# Altium PCB MS-002.21T003台车控制板PCB图 V1.0.PcbDoc (part 1 of 2)
Units mil, origin at the board's own origin, x right, y up, seen from the top; angles counter-clockwise.
Board outline 7863.99 x 3926.98 mil, 2 copper layers (Top Layer, Bottom Layer); 138 components, 110 nets, 449 pads, 595 vias.
Unrouted connection lines stored in the file: 44.
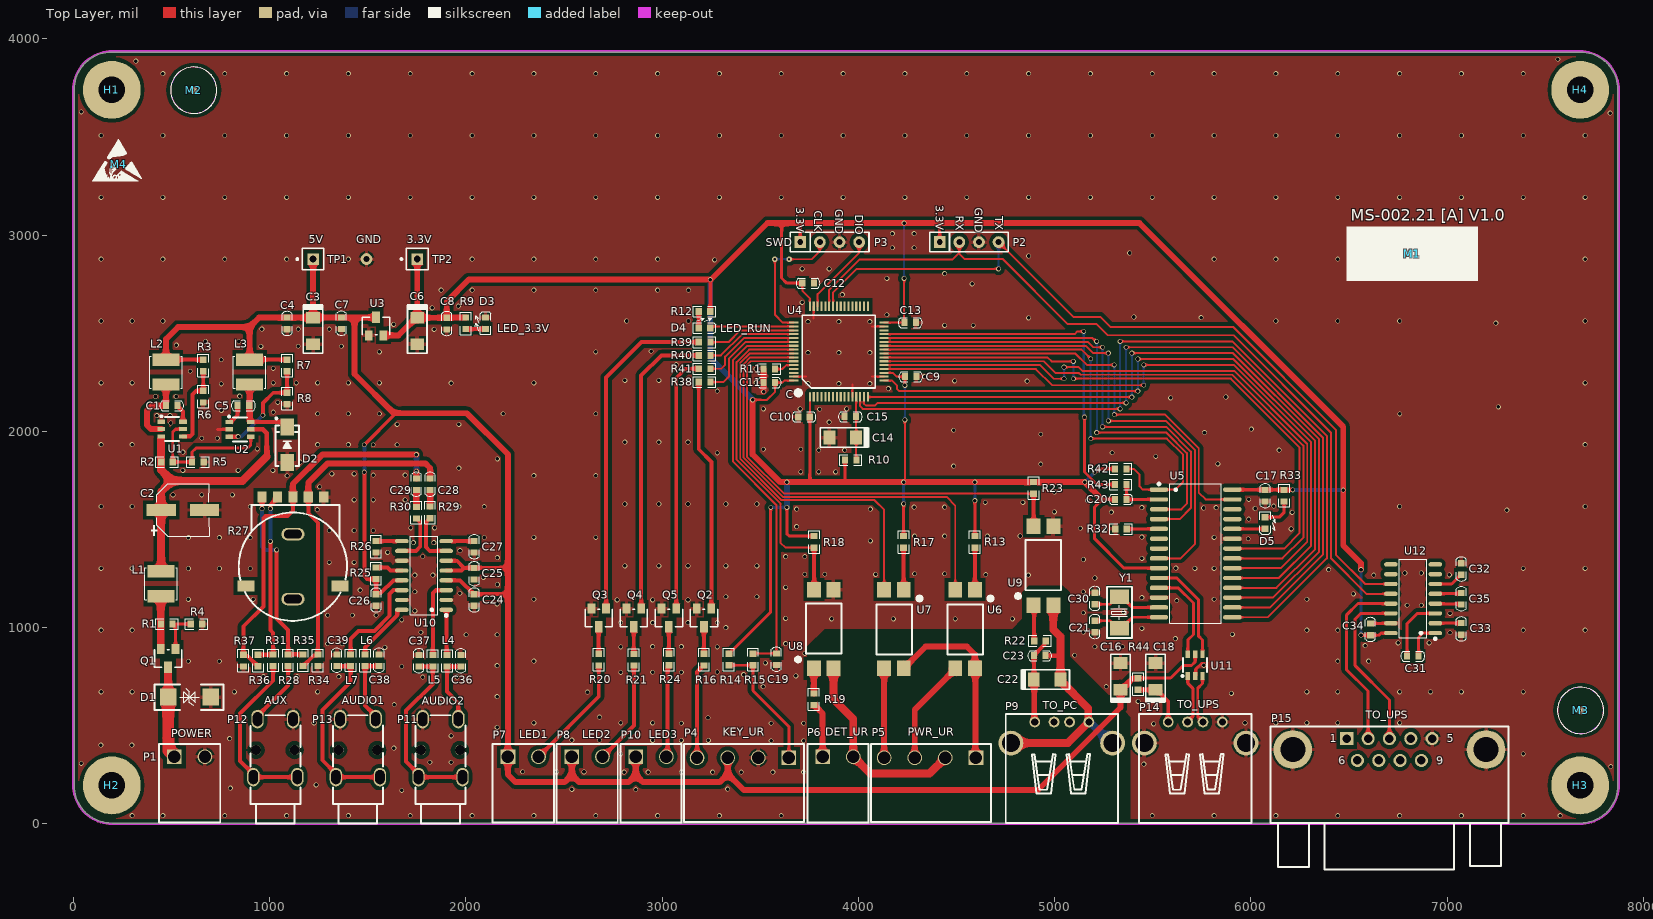
[diagram p0: Top Layer view]
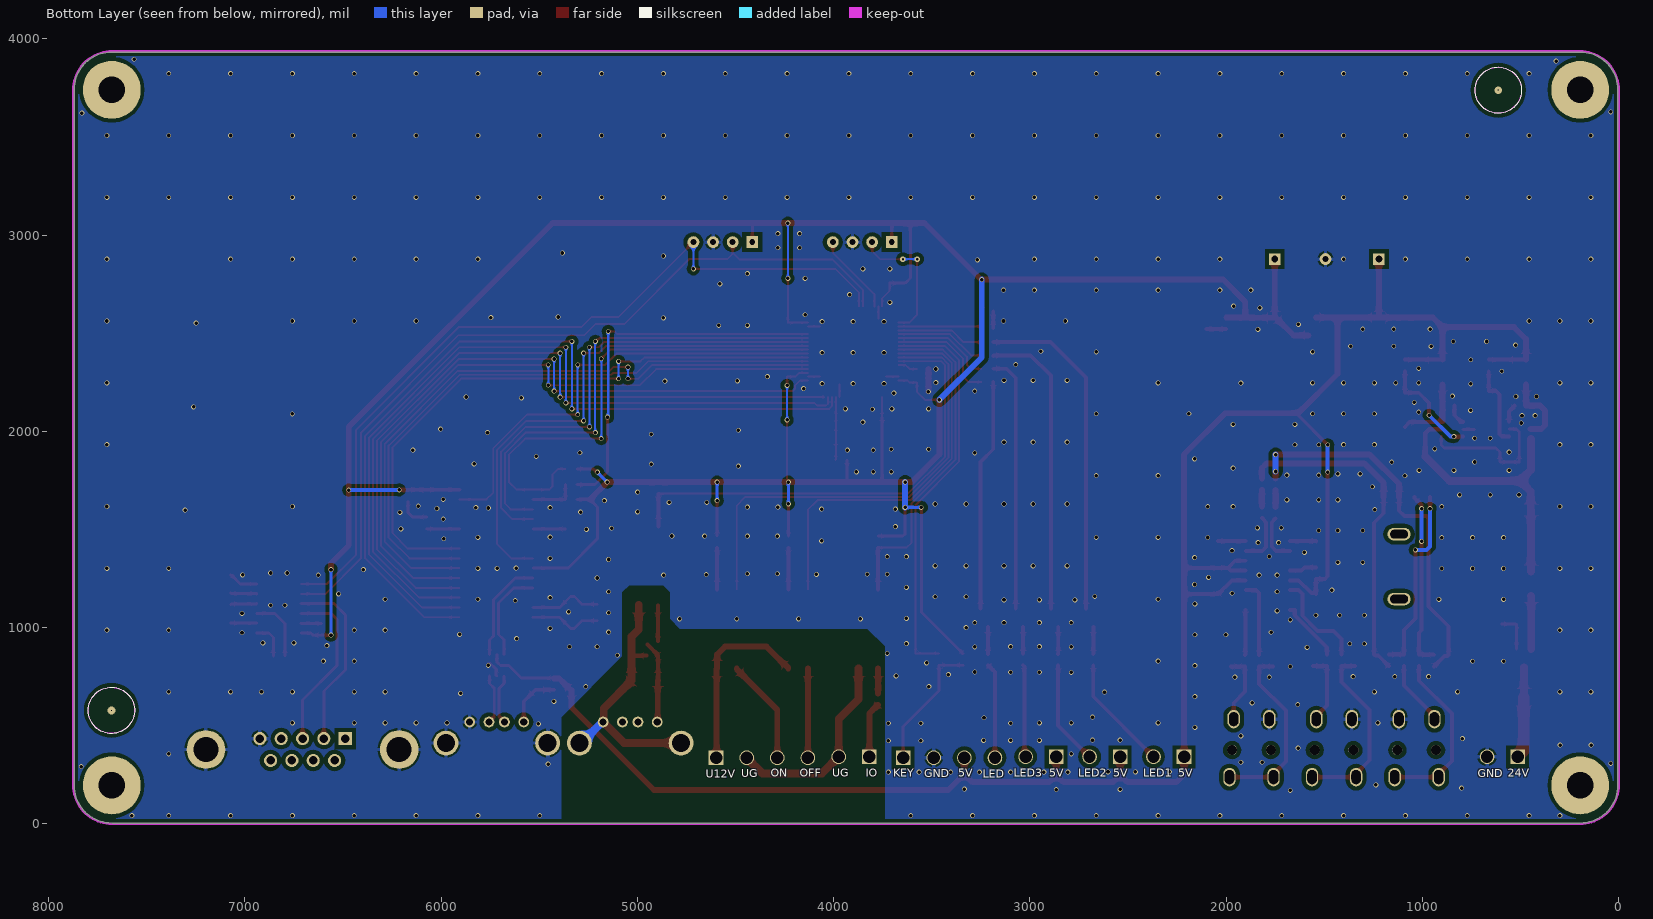
[diagram p1: Bottom Layer view, seen from below]

## Layer stack, top to bottom
Top Solder: solder mask 0.4, Solder Resist, Dk 3.5
Top Layer: signal copper 1.4
Dielectric 1: dielectric 12.6, FR-4, Dk 4.8
Bottom Layer: signal copper 1.4
Bottom Solder: solder mask 0.4, Solder Resist, Dk 3.5

## Board outline
5.02,196.85 5.02,196.92 5.02,3740.1 ccw(c0,3740.16) 5.02,3740.16 cw(c196.85,3740.16) 196.77,3931.99 ccw(c196.85,3937.01) 196.85,3931.99 7677.17,3931.99 cw(c7677.17,3740.16) 7869,3740.16 ccw(c7874.02,3740.16) 7869,3740.13 7869,3740.11 cw(c7874.02,3740.16) 7869,3740.13 7869,196.85 ccw(c7874.02,196.85) 7869,196.79 ccw(c7874.02,196.85) 7869,196.78 7869,196.79 ccw(c7677.17,196.85) 7869,196.85 7869,3740.11 7869,196.79 cw(c7677.17,196.85) 7677.17,5.02 ccw(c7677.17,0) 7677.08,5.01 196.85,5.01 196.85,5.02 cw(c196.85,0) 196.93,5.01 196.85,5.02 cw(c196.85,196.85)

## Design rules (kind name [scope] priority, off if disabled: settings)
Clearance Polygon [InPolygon] p1: gap=20 ignorepadtopadclearanceinfootprint=TRUE
Clearance [All] p2: gap=6 ignorepadtopadclearanceinfootprint=TRUE
DiffPairsRouting [All] p1: maxlimit=10 minlimit=10 mostfreqgap=10 toplayer_minwidth=15 toplayer_maxwidth=15 toplayer_prefwidth=15 bottomlayer_minwidth=15 bottomlayer_maxwidth=15 bottomlayer_prefwidth=15 maxuncoupledlength=500
HoleSize [All] p1: absolutevalues=TRUE maxlimit=200 minlimit=-10 maxpercent=80.000 minpercent=20.000
HoleToHoleClearance [All] p1: gap=8 allowstackedmicrovias=TRUE
MinimumSolderMaskSliver [All] p1: minsoldermaskwidth=0
PolygonConnect Polygon_L1-1 [InNet('NetL1_1')] p1: connectstyle=Direct reliefconductorwidth=10 reliefentries=4 polygonreliefangle="90 Angle" airgapwidth=10
PolygonConnect Polygon_5V [InNet('5V')] p2: connectstyle=Direct reliefconductorwidth=10 reliefentries=4 polygonreliefangle="90 Angle" airgapwidth=10
PolygonConnect Polygon_C1_2 [InNet('NetC1_2')] p3: connectstyle=Direct reliefconductorwidth=10 reliefentries=4 polygonreliefangle="90 Angle" airgapwidth=10
PolygonConnect Polygon_C5_2 [InNet('NetC5_2')] p4: connectstyle=Direct reliefconductorwidth=10 reliefentries=4 polygonreliefangle="90 Angle" airgapwidth=10
PolygonConnect Polygon_DC24 [InNet('NetD1_K')] p5: connectstyle=Direct reliefconductorwidth=10 reliefentries=4 polygonreliefangle="90 Angle" airgapwidth=10
PolygonConnect Polygon_24V [InNet('24V')] p6: connectstyle=Direct reliefconductorwidth=10 reliefentries=4 polygonreliefangle="90 Angle" airgapwidth=10
PolygonConnect [All] p7: thpad.connectstyle=Relief thpad.reliefconductorwidth=20 thpad.reliefentries=4 thpad.polygonreliefangle="90 Angle" thpad.airgapwidth=10 smdpad.connectstyle=Relief smdpad.reliefconductorwidth=20 smdpad.reliefentries=4 smdpad.polygonreliefangle="90 Angle" smdpad.airgapwidth=10 via.connectstyle=Direct via.reliefconductorwidth=20 via.reliefentries=4 via.polygonreliefangle="90 Angle" via.airgapwidth=10
RoomDefinition MS-002.21T002-2 [InComponentClass('MS-002.21T002-2')] p1: confinementstyle=ConfineOut formatcopy=TRUE lockcomponents=FALSE outline 8230.88,605.26 8808.06,605.26 8808.06,685.57 8230.88,685.57
RoomDefinition MS-002.21T002-4 [InComponentClass('MS-002.21T002-4')] p2: confinementstyle=ConfineOut formatcopy=TRUE lockcomponents=FALSE outline 8226.11,373.32 8808.06,373.32 8808.06,480.01 8226.11,480.01
RoomDefinition MS-002.21T002-3 [InComponentClass('MS-002.21T002-3')] p3: confinementstyle=ConfineOut formatcopy=TRUE lockcomponents=FALSE outline 8228.16,499.4 8805.74,499.4 8805.74,589.02 8228.16,589.02
RoomDefinition MS-002.21T002-6 [InComponentClass('MS-002.21T002-6')] p4: confinementstyle=ConfineOut formatcopy=TRUE lockcomponents=FALSE outline 8808.06,217.92 8224.41,217.92 8224.41,108.12 8808.06,108.12
RoomDefinition MS-002.21T002-5 [InComponentClass('MS-002.21T002-5')] p5: confinementstyle=ConfineOut formatcopy=TRUE lockcomponents=FALSE outline 8811.2,356.12 8227.98,356.12 8227.98,229.93 8811.2,229.93
RoutingVias [All] p1: holewidth=12 width=28 viastyle="Through Hole" minholewidth=12 minwidth=28 maxholewidth=28 maxwidth=50
SilkToSilkClearance [All] p1: silktosilkclearance=0
SilkToSolderMaskClearance [IsPad] p1: minsilkscreentomaskgap=0 clearancetoexposedcopper=TRUE
SolderMaskExpansion VIA [IsVia] p1: expansion=4 istentingtop=TRUE
SolderMaskExpansion [All] p2: expansion=4 istentingtop=FALSE
Width [All] p1: maxlimit=100 minlimit=10 preferedwidth=30 minimp=50.000000 maximp=50.000000 favimp=50.000000
24 further rules are at their usual default settings.

## Classes and differential pairs
component class MS-002.21T002-6: C16 C17 C18 C20 C21 C30 C31 C32 C33 C34 C35 D5 P14 P15 R32 R33 R42 R43 R44 U5 U11 U12 Y1
component class MS-002.21T002-5: C24 C25 C26 C27 C28 C29 C36 C37 C38 C39 L4 L5 L6 L7 P11 P12 P13 R25 R26 R27 R28 R29 R30 R31 R34 R35 R36 R37 U10
component class MS-002.21T002-2: C1 C2 C3 C4 C5 C6 C7 C8 D1 D2 D3 L1 L2 L3 P1 Q1 R1 R2 R3 R4 R5 R6 R7 R8 R9 TP1 TP2 U1 U2 U3
component class MS-002.21T002-4: C19 C22 C23 H1 H2 H3 H4 M1 M2 M3 M4 P4 P5 P6 P7 P8 P9 P10 Q2 Q3 Q4 Q5 R13 R14 R15 R16 R17 R18 R19 R20 R21 R22 R23 R24 R38 R39 R40 R41 U6 U7 U8 U9
component class MS-002.21T002-3: C9 C10 C11 C12 C13 C14 C15 D4 P2 P3 R10 R11 R12 U4
differential pair USB: +USB_P -USB_N
differential pair UD-USB: +UD-USB_P -UD-USB_N

## Components (designator, comment, footprint, x,y, rotation, side; value= is the part's Value field where it differs from the comment)
C1 "0.1uF" 0603_C 502.49,2131.12 r180 top
C2 "100uF/35V/20%" CAP-SMD_BD6.3-L6.6-W6.6-FD 559.44,1599.46 r0 top
C3 "10uF/16V" CASE-A_3216 1222.65,2511.36 r270 top
C4 "0.1uF" 0603_C 1090.05,2549.97 r90 top
C5 "0.1uF" 0603_C 867.35,2131.4 r0 top
C6 "10uF/16V" CASE-A_3216 1753,2511.36 r270 top
C7 "0.1uF" 0603_C 1366.72,2550.41 r90 top
C8 "0.1uF" 0603_C 1903.28,2549.06 r90 top
C9 "0.1uF" 0603_C 4266.75,2278.55 r180 top
C10 "0.1uF" 0603_C 3723,2073.57 r0 top
C11 "0.1uF" 0603_C 3546.12,2248.86 r0 top
C12 "0.1uF" 0603_C 3743.83,2754.73 r180 top
C13 "0.1uF" 0603_C 4263.94,2554.14 r180 top
C14 "10uF/16V" CASE-A_3216 3920.28,1968.4 r180 top
C15 "0.1uF" 0603_C 3959.19,2074.91 r0 top
C16 "10uF/16V" CASE-A_3216 5335.4,751.69 r90 top
C17 "0.1uF" 0603_C 6072.3,1672.22 r270 top
C18 "10uF/16V" CASE-A_3216 5513.8,751.69 r90 top
C19 "0.1uF" 0603_C 3582.78,839.75 r270 top
C20 "0.1uF" 0603_C 5337.07,1653.12 r0 top
C21 "22pF" 0603_C 5205.22,1005.86 r90 top
C22 "10uF/16V" CASE-A_3216 4961.46,735.91 r0 top
C23 "0.1uF" 0603_C 4923.95,857.61 r180 top
C24 "1uF" 0603_C 2043.17,1141.14 r270 top
C25 "1uF" 0603_C 2043.17,1275.29 r90 top
C26 "1uF" 0603_C 1543.1,1141.14 r270 top
C27 "1uF" 0603_C 2043.17,1411.98 r270 top
C28 "1uF" 0603_C 1818.31,1730.15 r270 top
C29 "1uF" 0603_C 1748.38,1730.15 r270 top
C30 "22pF" 0603_C 5205.22,1148.77 r90 top
C31 "0.1uF" 0603_C 6824.42,855.56 r180 top
C32 "0.1uF" 0603_C 7070.93,1298.83 r270 top
C33 "0.1uF" 0603_C 7070.93,993.6 r90 top
C34 "0.1uF" 0603_C 6608.16,991.03 r270 top
C35 "0.1uF" 0603_C 7070.93,1147.48 r90 top
C36 "1nF" 0603_C 1975.07,831.58 r270 top
C37 "1nF" 0603_C 1761.7,831.87 r270 top
C38 "1nF" 0603_C 1558.17,834.11 r270 top
C39 "1nF" 0603_C 1343.43,833.93 r270 top
D1 "SMBJ26CA" SMB 593.2,646.07 r180 top
D2 "SS16" SMA 1090.05,1930.73 r90 top
D3 "LED_GREEN" 0603_LED 2100.79,2551.15 r90 top
D4 "LED_GREEN" 0603_LED 3216.48,2526.3 r0 top
D5 "LED_GREEN" 0603_LED 6072.3,1533.49 r270 top
H1 "=Value" THC7R5D3R4-M3-PTH#1 725,3445 r0 top
H2 "=Value" THC7R5D3R4-M3-PTH#2 650,3630 r0 top
H3 "=Value" THC7R5D3R4-M3-PTH#3 1005,3630 r0 top
H4 "=Value" THC7R5D3R4-M3-PTH#4 1360,3630 r0 top
L1 "10uH/20%/1.5A" L_4.0*4.0 448.41,1223.78 r90 top value=15uH
L2 "10uH/20%/1.5A" L_4.0*4.0 472.99,2301.8 r90 top value=15uH
L3 "10uH/20%/1.5A" L_4.0*4.0 899.14,2301.8 r90 top value=15uH
L4 "120Ω@100MHz" 0603_RL 1905.05,831.58 r270 top value=15uH
L5 "120Ω@100MHz" 0603_RL 1832.56,831.58 r270 top value=15uH
L6 "120Ω@100MHz" 0603_RL 1487.65,833.93 r270 top value=15uH
L7 "120Ω@100MHz" 0603_RL 1413.9,834.03 r270 top value=15uH
M1 "粘贴标签位置" Label 6821.94,2904.85 r180 top
M2 "MARK" MARK 614.41,3738.05 r0 top
M3 "MARK" MARK 7678.79,578.62 r0 top
M4 "ESD" ESD 231.55,3359.49 r0 top
P1 "HT396R-3.96-2P" HT3.96mm-1X2P 593.57,342.23 r0 top value=W8010211120AB
P2 "Header_2.54mm" Header1X4-2.54mm 4414.28,2964.08 r0 top value=W8010411120AB
P3 "Header_2.54mm" Header1X4-2.54mm 3704.03,2964.08 r0 top value=W8010411120AB
P4 "HT396R-3.96-4P" HT3.96mm-1X4P 3412.05,337.23 r180 top
P5 "HT396R-3.96-4P" HT3.96mm-1X4P 4364.93,337.23 r180 top value=W8010411120AB
P6 "HT396R-3.96-2P" HT3.96mm-1X2P 3896.02,342.23 r0 top value=W8010211120AB
P7 "HT396R-3.96-2P" HT3.96mm-1X2P 2292.75,342.23 r0 top value=W8010211120AB
P8 "HT396R-3.96-2P" HT3.96mm-1X2P 2618.42,342.23 r0 top value=W8010211120AB
P9 "U-USBAR04P-F002" USB-A-01 5036.11,466.03 r0 top
P10 "HT396R-3.96-2P" HT3.96mm-1X2P 2944.08,342.23 r0 top value=W8010211120AB
P11 "PJ-3210-4A" AUDIO_TH_PJ-3210-4A 1871.46,386.58 r180 top
P12 "PJ-3210-4A" AUDIO_TH_PJ-3210-4A 1029.99,386.58 r180 top
P13 "PJ-3210-4A" AUDIO_TH_PJ-3210-4A 1450.72,386.58 r180 top
P14 "U-USBAR04P-F002" USB-A-01 5715.89,466.03 r0 top
P15 "DB9" DB9_MALE_W 6705.22,379.42 r0 top
Q1 "CJ2301" SOT-23_3 484.14,844.59 r180 top
Q2 "S8050" SOT-23_3 3213.63,1050.72 r180 top
Q3 "S8050" SOT-23_3 2677.54,1050.72 r180 top
Q4 "S8050" SOT-23_3 2856.24,1050.72 r180 top
Q5 "S8050" SOT-23_3 3034.94,1050.72 r180 top
R1 "51k" 0603_R 477.25,1018.67 r180 top
R2 "51k" 0603_R 478.08,1844.06 r180 top
R3 "51k" 0603_R 663.01,2335.69 r90 top
R4 "51k" 0603_R 628.55,1018.67 r180 top
R5 "10k" 0603_R 635.68,1844.06 r180 top
R6 "6.8k" 0603_R 663.01,2177.02 r90 top
R7 "10k" 0603_R 1090.05,2335.69 r90 top
R8 "2k" 0603_R 1090.05,2167.3 r90 top
R9 "10k" 0603_R 2000.06,2550.3 r90 top
R10 "10R" 0603_R 3961.25,1854.28 r0 top
R11 "10k" 0603_R 3546.39,2317.68 r0 top
R12 "10k" 0603_R 3216.48,2610.96 r0 top
R13 "1k" 0603_R 4593.57,1436.87 r90 top
R14 "10k" 0603_R 3340.54,838.13 r90 top
R15 "100k" 0603_R 3462.89,838.18 r270 top
R16 "1k" 0603_R 3213.63,837.27 r270 top
R17 "1k" 0603_R 4230.51,1436.87 r90 top
R18 "10k" 0603_R 3774.73,1436.87 r90 top
R19 "10k" 0603_R 3773.46,635.46 r270 top
R20 "1k" 0603_R 2677.54,837.33 r90 top
R21 "1k" 0603_R 2856.24,836.61 r270 top
R22 "2k" 0603_R 4925.02,933.22 r180 top
R23 "10k" 0603_R 4893.05,1711.9 r90 top
R24 "1k" 0603_R 3034.94,838.19 r270 top
R25 "10k" 0603_R 1543.1,1277.06 r270 top
R26 "10k" 0603_R 1543.1,1412.63 r270 top
R27 "10k,RK10J12R0A0B" RES-SMD_RK10J11R0A0H 1119.59,1405.57 r180 top
R28 "1k" 0603_R 1094.84,834.03 r270 top
R29 "24k" 0603_R 1818.31,1587.39 r270 top
R30 "24k" 0603_R 1748.38,1586.03 r270 top
R31 "1k" 0603_R 1018.85,834.03 r270 top
R32 "1k" 0603_R 5337.76,1503.12 r180 top
R33 "1k" 0603_R 6169.11,1672.35 r90 top
R34 "5.1k" 0603_R 1246.84,833.87 r90 top
R35 "0R" 0603_R 1170.84,834.19 r90 top
R36 "0R" 0603_R 942.85,832.66 r90 top
R37 "5.1k" 0603_R 866.86,832.19 r90 top
R38 "1k" 0603_R 3216.6,2251.33 r180 top
R39 "1k" 0603_R 3216.6,2454.31 r180 top
R40 "1k" 0603_R 3216.6,2386.65 r180 top
R41 "1k" 0603_R 3216.6,2318.99 r180 top
R42 "10k" 0603_R 5336.51,1808.96 r0 top
R43 "1k" 0603_R 5336.51,1728.93 r0 top
R44 "10R" 0603_R 5424.99,713.17 r90 top
TP1 "5V" TP1 1222.65,2877.66 r90 top
TP2 "3.3V" TP1 1753,2877.66 r90 top
U1 "TPS54202DDCR" SOT-23-6 504.43,2011.86 r0 top
U2 "ME3116AM6G" SOT-23-6 849.82,2010.6 r0 top
U3 "ME6211A33M3G" SOT-23_3 1542.79,2535.11 r0 top
U4 "STM32F103RCT6" LQFP-64 3900.53,2406.5 r90 top
U5 "CH375B" SOIC-28 5718.06,1378.12 r0 top
U6 "EL817" "SOP-4 6.5×4.6" 4543.57,993.4 r270 top
U7 "EL817" "SOP-4 6.5×4.6" 4181.2,993.4 r270 top
U8 "EL817" "SOP-4 6.5×4.6" 3823.46,993.4 r90 top
U9 "EL817" "SOP-4 6.5×4.6" 4943.05,1315.65 r90 top
U10 "LTK5206" SOP-16 1787.53,1266.14 r180 top
U11 "USBLC6-2SC6" SOT-23-6 5715.64,809.11 r90 top
U12 "SP3232" SOP-16 6825.62,1147.55 r180 top
Y1 "12MHz" "OSC-SMD 5.0×3.2" 5330.16,1077.53 r270 top

## Footprints (in the part's own frame and the unit in brackets; to place one, negate y for a bottom-side part, rotate by r counter-clockwise, add the part's x,y. Pads: shape width x height; smd on the part's side, far side on the other; paste and mask are expansions set on the pad)
0603_C [mm]
  rect 0.8x0.9 smd: 1(-0.749,0) 2(0.749,0)
  silkscreen extent -1.55,-0.65 1.55,0.65, body extent -0.99,-0.39 1.01,0.39, height 0.79
0603_LED [mm]
  rect 0.8x0.9 smd: 1(-0.749,0) 2(0.749,0)
  silkscreen extent -1.45,-0.7 1.45,1.3, body extent -0.8,-0.4 0.8,0.4, height 0.6
0603_R [mm]
  rect 0.8x0.9 smd: 1(-0.749,0) 2(0.749,0)
  silkscreen extent -1.45,-0.7 1.45,0.7, body extent -0.81,-0.4 0.79,0.4, height 0.42
0603_RL [mm]
  rect 0.8x0.9 smd: 1(-0.749,0) 2(0.749,0)
  silkscreen extent -1.45,-0.7 1.45,0.7, body extent -0.8,-0.43 0.8,0.43, height 0.48
AUDIO_TH_PJ-3210-4A [mm]
  oval 1.6x2.4 hole 1.2 slot 1.8 at 90 deg: 1(-2.3,-3.75) 2(-2.85,3.75) 2(2.85,3.75) 3(2.3,-3.75)
  round 1.3 hole 1.3 unplated: ""(-2.499,0.25) ""(2.499,0.25)
  silkscreen extent -3.25,-4.25 3.22,9.75, body extent -3.59,-4.25 3.59,9.75, height 5.25
CAP-SMD_BD6.3-L6.6-W6.6-FD [mm]
  rect 3.8x1.5 smd: 1(-2.797,0) 2(2.797,0)
  silkscreen extent -4.12,-3.38 3.38,3.38, body extent -3.65,-3.3 3.65,3.3, height 7.7
CASE-A_3216 [mm]
  rect 1.524x1.8 smd: 1(-1.725,0) 2(1.725,0)
  silkscreen extent -3.43,-1.27 2.9,1.27, body extent -1.65,-0.9 1.75,0.9, height 1.7
DB9_MALE_W [mm]
  rect 1.7x1.7 hole 1.1: 1(-5.52,1.42)
  round 1.7 hole 1.1: 2(-2.76,1.42) 3(0,1.42) 4(2.76,1.42) 5(5.52,1.42) 6(-4.14,-1.42) 7(-1.38,-1.42) 8(1.38,-1.42) 9(4.14,-1.42)
  round 5 hole 3.25: 10(-12.5,0) 10(12.5,0)
  silkscreen extent -15.4,-15.5 15.4,3, body extent -15.4,-15.45 15.4,2.95, height 12.57
ESD [mil]
  silkscreen extent -133,-84 117,128
Header1X4-2.54mm [mil]
  rect 60x60 hole 30: 1(0,0)
  round 60 hole 30: 2(100,0) 3(200,0) 4(300,0)
  silkscreen extent -50,-50 350,50
HT3.96mm-1X2P [mm]
  rect 1.9x1.9 hole 1.6: 1(-1.98,0)
  round 1.9 hole 1.6: 2(1.98,0)
  silkscreen extent -3.96,-8.5 3.96,1.65, body extent -4,-9.5 3.94,0.5, height 7.45
HT3.96mm-1X4P [mm]
  rect 1.9x1.9 hole 1.6: 1(-5.94,0)
  round 1.9 hole 1.6: 2(-1.98,0) 3(1.98,0) 4(5.94,0)
  silkscreen extent -7.92,-1.8 7.62,8.3, body extent -7.92,-0.5 7.96,9.5, height 7.45
L_4.0*4.0 [mm]
  rect 1.6x3.5 smd: 1(-1.6,0) 2(1.6,0)
  silkscreen extent -2.08,-2.1 2.08,2.1, body extent -2,-2 2,2, height 1
Label [mil]
  silkscreen extent -335,-138 335,138
LQFP-64 [mm]
  oval 1.2x0.27 smd: 1(-5.85,3.75)
  rect 1.2x0.27 smd: 2(-5.85,3.25) 3(-5.85,2.75) 4(-5.85,2.25) 5(-5.85,1.75) 6(-5.85,1.25) 7(-5.85,0.75) 8(-5.85,0.25) 9(-5.85,-0.25) 10(-5.85,-0.75) 11(-5.85,-1.25) 12(-5.85,-1.75) 13(-5.85,-2.25) 14(-5.85,-2.75) 15(-5.85,-3.25) 16(-5.85,-3.75) 33(5.85,-3.75) 34(5.85,-3.25) 35(5.85,-2.75) 36(5.85,-2.25) 37(5.85,-1.75) 38(5.85,-1.25) 39(5.85,-0.75) 40(5.85,-0.25) 41(5.85,0.25) 42(5.85,0.75) 43(5.85,1.25) 44(5.85,1.75) 45(5.85,2.25) 46(5.85,2.75) 47(5.85,3.25) 48(5.85,3.75)
  rect 0.27x1.2 smd: 17(-3.75,-5.85) 18(-3.25,-5.85) 19(-2.75,-5.85) 20(-2.25,-5.85) 21(-1.75,-5.85) 22(-1.25,-5.85) 23(-0.75,-5.85) 24(-0.25,-5.85) 25(0.25,-5.85) 26(0.75,-5.85) 27(1.25,-5.85) 28(1.75,-5.85) 29(2.25,-5.85) 30(2.75,-5.85) 31(3.25,-5.85) 32(3.75,-5.85) 49(3.75,5.85) 50(3.25,5.85) 51(2.75,5.85) 52(2.25,5.85) 53(1.75,5.85) 54(1.25,5.85) 55(0.75,5.85) 56(0.25,5.85) 57(-0.25,5.85) 58(-0.75,5.85) 59(-1.25,5.85) 60(-1.75,5.85) 61(-2.25,5.85) 62(-2.75,5.85) 63(-3.25,5.85) 64(-3.75,5.85)
  silkscreen extent -5.64,-4.71 4.71,5.55, body extent -6,-6 6,6, height 1.6
MARK [mil]
  Top Layer keep-out circle w3.94: c0,0 r117.15
  Bottom Layer keep-out circle w3.94: c0,0 r117.15
  silkscreen extent -118,-118 118,118
"OSC-SMD 5.0×3.2" [mm]
  rect 1.9x2.4 smd: 1(-2.05,0) 2(2.05,0)
  silkscreen extent -3.32,-1.6 3.33,1.6, body extent -2.5,-1.47 2.5,1.73, height 1.3
RES-SMD_RK10J11R0A0H [mm]
  rect 1.2x1.4 smd: 1(-4,-6.6) 2(-2,-6.6) 3(4,-6.6) 4(0,-6.6) 5(2,-6.6)
  rect 2.2x1.4 smd: 6(-6.1,4.9) 6(6.1,4.9)
  oval 3x1.6 hole 1.1 slot 2.3 at 0 deg: 7(0,6.6) 7(0,-1.8)
  silkscreen extent -7.01,-5.6 7.01,9.42, body extent -7,-7.06 7,9.45, height 2.6
SMA [mm]
  rect 2.2x1.75 smd: A(-2.3,0) K(2.3,0)
  silkscreen extent -2.7,-1.52 3.56,1.52, body extent -2.53,-1.3 2.58,1.3, height 2.15
SMB [mm]
  rect 2.1x2.2 smd: A(-2.75,0) K(2.75,0)
  silkscreen extent -4.38,-1.65 4.54,1.65, body extent -2.63,-1.8 2.67,1.8, height 2.35
SOIC-28 [mil]
  oval 94.02x22.6 smd: 1(-186.77,325) 2(-186.77,275) 3(-186.77,225) 4(-186.77,175) 5(-186.77,125) 6(-186.77,75) 7(-186.77,25) 8(-186.77,-25) 9(-186.77,-75) 10(-186.77,-125) 11(-186.77,-175) 12(-186.77,-225) 13(-186.77,-275) 14(-186.77,-325) 15(186.77,-325) 16(186.77,-275) 17(186.77,-225) 18(186.77,-175) 19(186.77,-125) 20(186.77,-75) 21(186.77,-25) 22(186.77,25) 23(186.77,75) 24(186.77,125) 25(186.77,175) 26(186.77,225) 27(186.77,275) 28(186.77,325)
  silkscreen extent -193,-355 131,360, body extent -209,-356 209,356, height 101
"SOP-4 6.5×4.6" [mm]
  rect 2x1.8 smd: 1(-5.1,1.27) 2(-5.1,-1.27) 3(5.1,-1.27) 4(5.1,1.27)
  silkscreen extent -4.42,-2.29 3.32,3.79, body extent -5.08,-2.29 5.08,2.29, height 4.43
SOP-16 [mm]
  oval 1.745x0.56 smd: 1(-2.873,4.445) 2(-2.873,3.175) 3(-2.873,1.905) 4(-2.873,0.635) 5(-2.873,-0.635) 6(-2.873,-1.905) 7(-2.873,-3.175) 8(-2.873,-4.445) 9(2.873,-4.445) 10(2.873,-3.175) 11(2.873,-1.905) 12(2.873,-0.635) 13(2.873,0.635) 14(2.873,1.905) 15(2.873,3.175) 16(2.873,4.445)
  silkscreen extent -3.02,-5.08 1.77,5.33, body extent -3.12,-4.99 3.12,4.99, height 1.59
SOT-23-6 [mm]
  rect 1x0.55 smd: 1(-1.4,0.95) 2(-1.4,0) 3(-1.4,-0.95) 4(1.4,-0.95) 5(1.4,0) 6(1.4,0.95)
  silkscreen extent -1.52,-1.55 0.9,1.78, body extent -1.4,-1.45 1.4,1.45, height 1.45
SOT-23_3 [mm]
  rect 1x1.29 smd: 1(-0.952,-1.166) 2(0.953,-1.166)
  rect 1x1.47 smd: 3(0.013,1.166)
  silkscreen extent -1.77,-1.09 1.77,1.19, body extent -1.5,-1.32 1.5,1.32, height 1.08
THC7R5D3R4-M3-PTH#1 [mm]
  round 7.5 hole 3.4: 1(-13.415,7.497)
THC7R5D3R4-M3-PTH#2 [mm]
  round 7.5 hole 3.4: 1(-11.51,-87.202)
THC7R5D3R4-M3-PTH#3 [mm]
  round 7.5 hole 3.4: 1(169.473,-87.202)
THC7R5D3R4-M3-PTH#4 [mm]
  round 7.5 hole 3.4: 1(160.456,2.798)
TP1 [mm]
  rect 1.5x1.5 hole 0.9: 1(0,0)
  silkscreen extent -1.4,-1.4 1.4,2.17
USB-A-01 [mm]
  round 3.2 hole 2.3: 0(-6.571,-1.359) 0(6.571,-1.359)
  round 1.4 hole 0.92: 1(-3.492,1.359) 2(-0.993,1.359) 3(1.008,1.359) 4(3.508,1.359)
  silkscreen extent -7.25,-11.7 7.26,2.37, body extent -7.93,-11.17 7.87,2.53, height 6.95

## Part data
C1 C4 C5 C9 C10 C11 C12 C13 C15 C21 C30: library part C_2
C2: library part "Cap Pol", "Capacitor-P", LatestRevisionDate=29-May-2009, LatestRevisionNote="IPC-7351 Footprint Added.", PackageDescription="Chip Capacitor", PackageReference=C0805, Published=8-Jun-2000, Publisher="Altium Limited"
C3 C6 C14 C16 C18 C22: library part CAP_ELECTROL
C7 C8: library part Cap, "Capacitor", LatestRevisionDate=17-Jul-2002, LatestRevisionNote="Re-released for DXP Platform.", PackageDescription="Radial Cap, Thru-Hole; 2 Leads; 0.3 in Pin Spacing", PackageReference=RAD-0.3, Published=8-Jun-2000, Publisher="Altium Limited"
C17 C20 C23: library part C
C19: library part C0805, "C0805", PACKAGE=Tape&Reel, Allow Altenative Part=Y, Approved=YES, Categories=电容, Category=贴片电容, Modify time=2017年03月06号, Mounting Type=SurfaceMount, Part Number=C0805, Remark="BU 需求", serial number=4
C24 C25 C26 C27 C28 C29 C31 C32 C33 C34 C35 C36 C37 C38 C39: library part CAP
D1: library part SSVT
D2: library part DIODE_Schottky
D3 D4 D5: library part LED1, "LED"
H1 H2 H3 H4: library part M4-PTH, Allow Altenative Part=Y, Approved=YES, Categories=符号, Category=SCREW, Modify time=42779, Part Number=M4-PTH, serial number=18, Supplier 1=CRD
L1 L2 L3: library part 101LP-00033OD.01, "SMD,电感值10uH,精度±20%,额定电流1.5A", Operating Temperature=-40°C~105°C, PACKAGE=Tape&Reel, Rated Current=2.5A, Supplier Part Number 1=SLF7055T-100M2R5-3PF, Tolerance=±20%, Allow Altenative Part=Y, Approved=YES, Categories=电感, Category=功率电感, COMPONENTLINK 1 DESCRIPTION=OpenDatasheet, COMPONENTLINK 1 URL=https://product.tdk.com/info/en/catalog/datasheets/inductor_commercial_power_slf7055_en.pdf, Modify time=2016年2月28号, MOQ=1000, Mounting Type=SurfaceMount, Part Number=101LP-00033OD.01, Pricing 1=3.619, Remark="Verified by BU1（黄雄青） check list V1.0", serial number=41, Size=7x7x5.5mm, Supplier 1=TDK
L4 L5 L6 L7: library part 101LP-00033OD.01, "120Ω@100MHz 误差：±25% 直流电阻(RDC)：100mΩ 额定电流：2A", Operating Temperature=-40°C~105°C, PACKAGE=Tape&Reel, Rated Current=2.5A, Supplier Part Number 1=SLF7055T-100M2R5-3PF, Tolerance=±20%, Allow Altenative Part=Y, Approved=YES, Categories=电感, Category=功率电感, COMPONENTLINK 1 DESCRIPTION=OpenDatasheet, COMPONENTLINK 1 URL=https://product.tdk.com/info/en/catalog/datasheets/inductor_commercial_power_slf7055_en.pdf, Modify time=2016年2月28号, MOQ=1000, Mounting Type=SurfaceMount, Part Number=101LP-00033OD.01, Pricing 1=3.619, Remark="Verified by BU1（黄雄青） check list V1.0", serial number=41, Size=7x7x5.5mm, Supplier 1=TDK
M1: library part LABEL
M2 M3: "贴片所需MARK点"
M4: "防静电标志"
P1 P6 P7 P8 P10: PACKAGE=Tubewithoutpad, Part Number=102NC-00001CY.01, Supplier Part Number 1=W8010211120AB, Allow Altenative Part=Y, Approved=YES, Categories=连接器, Category=VH连接器, COMPONENTLINK 1 DESCRIPTION=GetDatasheet, COMPONENTLINK 1 URL=http://www.fyconn.com/productView.asp?id=450, Modify time=2017年03月10号, Mounting Type=ThroughHole, Remark="Verified by BU4（陈雪莹） check list V2.0", serial number=544, Supplier 1=富盈源
P2 P3 P5: PACKAGE=Tubewithoutpad, Part Number=102NC-00002CY.01, Supplier Part Number 1=W8010411120AB, Allow Altenative Part=Y, Approved=YES, Categories=连接器, Category=VH连接器, COMPONENTLINK 1 DESCRIPTION=GetDatasheet, COMPONENTLINK 1 URL=http://www.fyconn.com/productView.asp?id=450, Modify time=2017年03月10号, Mounting Type=ThroughHole, Remark="Verified by BU4（陈雪莹） check list V2.0", serial number=545, Supplier 1=富盈源
P4: library part HEADER4
P9 P14: library part USBCOM
P11 P12 P13: "3.5mm耳机座 额定电流500mA 额定电压30V"
Q1: library part P-MOS
Q2 Q3 Q4 Q5: library part NPN
R1 R2 R3 R4 R5 R6 R7 R8 R9 R11 R14 R15 R18 R19 R20 R21 R22 R23 R24 R25 R26 R38 R39 R40 R41: library part "0603 10KΩ (1002) 1%", "贴片电阻", PACKAGE=0603, SuppliersPartNumber=C25804, ComponentLink1Description=供应商链接, ComponentLink1URL=http://www.szlcsc.com/product/details_26547.html, Supplier=LC
R10 R44: library part "0603 10Ω (10R0) 1%", "贴片电阻", PACKAGE=0603, SuppliersPartNumber=C22859, ComponentLink1Description=供应商链接, ComponentLink1URL=http://www.szlcsc.com/product/details_23586.html, Supplier=LC
R12 R13 R16 R17 R32 R33 R42 R43: library part "0603 1KΩ (1001) 1%", "贴片电阻", PACKAGE=0603, SuppliersPartNumber=C21190, ComponentLink1Description=供应商链接, ComponentLink1URL=http://www.szlcsc.com/product/details_21904.html, Supplier=LC
R27: library part RK10J11R0A0H, "RK10J12R0A0B,10k±30%,30mW,音量调节", BOM_JLCPCB Part Class="Extended Part", BOM_Manufacturer=ALPSALPINE(阿尔卑斯阿尔派), BOM_Manufacturer Part=RK10J11R0A0H, BOM_Supplier=LCSC, BOM_Supplier Part=C470766, Contributor=LCSC, nameAlias=Resistance, spicePre=R, spiceSymbolName=RK10J11R0A0H
R28 R29 R30 R31 R34 R35 R36 R37: library part RES
TP1 TP2: library part TP, "Test Point"
U1: library part TPS54202
U3: library part LDO-SOT23, "LDO"
U4: "MCU"
U5: library part CH375, "USB 总线接口芯片"
U6 U7 U8 U9: library part KPC357NT, "KPC357NT", LatestRevisionDate=17-Jul-2002, LatestRevisionNote="Re-released for DXP Platform.", Published=24-Mar-1999, Publisher="Altium Limited"
U10: "双声道功放芯片，2.8V~7V，2x6.5w"
Y1: library part XTAL, "Crystal Oscillator", LatestRevisionDate=17-Jul-2002, LatestRevisionNote="Re-released for DXP Platform.", Published=8-Jun-2000, Publisher="Altium Limited"

## Free pads (board coordinates)
  round 60 hole 30: 2(1494.45,2877.66)

## Via types
v1: diameter 25, hole 18, Top Layer to Bottom Layer, tented both sides, 591 vias
v2: diameter 39.37/39.37 (per signal layer), hole 0, Top Layer to Bottom Layer, 2 vias
v3: diameter 28, hole 12, Top Layer to Bottom Layer, tented both sides, 2 vias

## Nets (pads, with @x,y where several pads share a name; then routed paths per layer and width w, separated by ;. In a path a pad name is that pad's centre, name@x,y a point inside that pad or via, vN(x,y) a via of type N, cw(c..) or ccw(c..) an arc to the next point about the centre after c; other vN are vias at no path point)
3.3V: C6.1 C8.2 C9.2 C10.2 C11.2 C12.2 C13.2 C17.1 C20.1 C34.2 P2.1 P3.1 R9.2 R10.1 R12.2 R13.2 R14.2 R17.2 R18.2 R23.2 R33.2 R42.1 TP2.1 U3.2 U4.1 U4.19 U4.32 U4.48 U4.64 U5.9 U5.28 U12.16 | length 16384.5
  Top Layer w10: v1(3461.47,2160.47) 3534.66,2160.47 3575.62,2201.44 C11.2@3575.62,2248.86 3613.11,2248.86 3623.11,2258.86 U4.64@3670.21,2258.86 ; C12.2@3714.33,2754.73 3714.33,2716.53 3752.89,2677.97 U4.48@3752.89,2636.82 ; C10.2@3752.5,2073.57 3752.89,2073.95 U4.1@3752.89,2176.19 ; U4.19@4130.84,2298.23 4176.22,2298.23 4195.9,2278.55 C9.2@4237.25,2278.55 v1(4237.25,2234.09) ; U4.32@4130.84,2554.14 4232.46,2554.14 4233.45,2555.13 v1(4233.45,2779.75) ; v1(4230.51,1741.58) 4230.51,1746.45 4237.25,1753.19 v1(4237.25,2058.21)
  Top Layer w15: v1@3245.98,2770.26 v1@3248.99,2773.28 ; R14.2@3340.54,867.63 3342.5,867.63 3350.75,875.88 3350.75,877.85 3553.5,1080.59 v1(3553.5,1612.86) ; 3608.76,3061.15 3608.76,2781.47 3635.5,2754.73 C12.2@3714.33,2754.73 ; v1(3635.51,1612.86) 3635.51,1478.43 3647.57,1466.37 R18.2@3774.73,1466.37 ; P3.1@3704.03,2964.08 3704.03,3060.44 ; 3752.5,1741.2 C10.2@3752.5,2073.57 ; 3931.75,1741.49 R10.1@3931.75,1854.28 ; R17.2@4230.51,1466.37 v1(4230.51,1630.92) ; P2.1@4414.28,2964.08 4414.28,3060.74 4414.7,3061.15 ; R13.2@4593.57,1466.37 v1(4593.57,1647.27) ; 4710.27,3061.15 4714.28,3057.13 ; v1(5203.83,1792.34) 5207.34,1792.34 5223.96,1808.96 R42.1@5307.01,1808.96 ; C20.1@5307.57,1653.12 5241.72,1653.12 5203.83,1615.22 5203.83,1453.03 5353.74,1303.12 U5.9@5531.29,1303.12 ; U5.28@5904.83,1703.12 U5.28@5905.46,1702.48 ; R33.2@6168.48,1702.48 R33.2@6169.11,1701.85 ; v1(6560.42,961.73) 6560.52,961.63 6608.06,961.63 C34.2@6608.16,961.53 6650.67,961.53 6661.69,972.55 U12.16@6712.53,972.55
  Top Layer w20: R12.2@3245.98,2610.96 v1@3245.98,2770.26 ; U5.28@5905.46,1702.48 R33.2@6168.48,1702.48 ; R33.2@6169.11,1701.85 v1(6212.6,1701.85)
  Top Layer w30: U3.2@1580.29,2489.2 1657.5,2489.2 1747.57,2579.28 C6.1@1753,2579.28 ; TP2.1@1753,2877.66 C6.1@1753,2579.28 ; R9.2@2000.06,2579.8 1937.34,2579.8 1936.85,2579.3 1904.03,2579.3 C8.2@1903.28,2578.56 ; v1(3245.52,2773.28) 2015.95,2773.28 1903.28,2660.61 C8.2@1903.28,2578.56 ; v1@3248.99,2773.28 3536.86,3061.15 3608.76,3061.15 3703.32,3061.15 ; v1(3461.47,2160.47) 3461.47,1882.49 3602.75,1741.2 v1(3635.51,1741.2) 3752.5,1741.2 v1(5153.63,1741.2) 5241.72,1653.12 ; 3704.03,3060.44 3703.32,3061.15 ; v1(6560.42,1296.26) 6560.42,1328.13 6469.72,1418.83 6469.72,1700.74 6469.72,2022.97 5431.54,3061.15 4710.27,3061.15 4414.7,3061.15 4233.45,3061.15 3703.32,3061.15 ; C6.1@1753,2579.28 1753.36,2578.92 1902.92,2578.92 C8.2@1903.28,2578.56
  Bottom Layer w10: v1(4233.45,2779.75) v1(4233.45,3061.05) ; v1(4237.25,2058.21) v1(4237.25,2234.09)
  Bottom Layer w15: v1(3553.5,1612.86) v1(3635.51,1612.86) ; v1(4230.51,1630.92) v1(4230.51,1741.58) ; v1(4593.57,1647.27) v1(4593.57,1741.58) ; v1(5153.63,1741.2) 5203.83,1791.4 v1(5203.83,1792.34) ; v1(6212.6,1701.85) 6213.72,1700.74 v1@6214.28,1701.3 ; v1@6469.3,1701.3 v1(6469.85,1700.74) ; v1(6560.42,961.73) v1(6560.42,1296.26)
  Bottom Layer w20: v1@6214.28,1701.3 v1@6469.3,1701.3
  Bottom Layer w30: v1(3245.52,2773.28) 3245.52,2376.41 v1(3461.47,2160.47) ; v1(3635.51,1612.86) v1(3635.51,1741.2)
5V: C3.1 C4.2 C7.2 C16.1 C24.1 C25.2 C26.1 L2.2 L3.2 P4.3 P7.1 P8.1 P10.1 R3.2 R7.2 R25.2 R44.2 TP1.1 U3.3 U10.4 U10.5 U10.6 U10.13 U11.5 | length 11154.8
  Top Layer w15: R44.2@5424.99,742.67 5425.49,743.17 5590.77,743.17 5655.35,807.76 5697.16,807.76 5715.64,826.24 U11.5@5715.64,864.23
  Top Layer w20: L2.2@472.99,2364.8 473.39,2365.19 R3.2@663.01,2365.19 ; L3.2@899.14,2364.8 899.54,2365.19 R7.2@1090.05,2365.19 ; v1(1483.24,1792.44) 1483.24,1262.44 1498.12,1247.56 R25.2@1543.1,1247.56 C26.1@1543.1,1170.64 1548.85,1176.38 1566.66,1176.38 1631.42,1241.14 U10.13@1674.44,1241.14 ; v1(1483.24,1931.88) 1633.37,2082.01 1633.37,2092.14 ; U10.4@1900.62,1241.14 1970.7,1241.14 2041.2,1170.64 C24.1@2043.17,1170.64 2214.8,1170.64 ; U10.5@1900.62,1291.14 1977.96,1291.14 1991.61,1304.79 ; U10.6@1900.62,1341.14 1955.26,1341.14 1991.61,1304.79 ; 2214.8,1304.79 C25.2@2043.17,1304.79 1991.61,1304.79
  Top Layer w30: L2.2@472.99,2364.8 472.99,2469.57 535.14,2531.72 899.14,2531.72 ; L3.2@899.14,2364.8 899.14,2531.72 ; C4.2@1090.05,2579.28 946.7,2579.28 899.14,2531.72 ; C4.2@1090.05,2579.47 1090.15,2579.37 1217.12,2579.37 C3.1@1217.21,2579.28 ; TP1.1@1222.65,2877.66 C3.1@1222.65,2579.28 1223.52,2580.15 1366.72,2580.15 1433.37,2580.15 ; U3.3@1543.29,2581.02 1542.42,2580.15 1433.37,2580.15 ; P8.1@2540.46,342.23 2540.46,250.62 ; P10.1@2866.13,342.23 2866.13,249.82 ; P4.3@3334.1,337.23 3335.03,336.3 3335.03,254.83 ; R44.2@5424.99,742.67 5424.24,741.93 5398.98,741.93 5340.83,683.77 C16.1@5335.4,683.77 5335.4,593.79 4914.9,173.29 3416.56,173.29 3335.03,254.83 ; 1433.37,2580.15 1433.37,2292.13 1633.37,2092.14 2005.79,2092.14 2214.8,1883.12 2214.8,1304.79 2214.8,1170.64 P7.1@2214.8,342.23 2214.8,251.41 2253.03,213.19 2503.03,213.19 2540.46,250.62 ; 2540.46,250.62 2577.95,213.13 2829.44,213.13 2866.13,249.82 ; 2866.13,249.82 2902.82,213.13 3293.33,213.13 3335.03,254.83
  Bottom Layer w20: v1(1483.24,1792.44) v1(1483.24,1931.88)
5V_USB: C22.1 C23.2 P9.1 R22.1 | length 420.8
  Top Layer w20: C22.1@4894.45,731.38 C23.2@4894.45,857.61 ; C23.2@4894.45,859.58 4948.77,913.9 ; P9.1@4897.99,515.38 P9.1@4897.99,519.53
  Top Layer w30: C22.1@4894.45,731.38 4896.08,729.76 4896.08,522.06 P9.1@4898.61,519.53
24V: C2.1 L1.2 R2.2 U1.3 U2.5 | length 1463.2
  Top Layer w25: U2.5@904.93,2010.6 966.55,2010.6 986.38,1990.78 986.38,1871.53
  Top Layer w40: L1.2@448.41,1286.77 448.41,1598.54 C2.1@449.33,1599.46 449.33,1693.21 503.88,1747.77 ; 448.58,1961.39 R2.2@448.58,1844.06 448.58,1803.07 503.88,1747.77 ; 986.38,1871.53 862.61,1747.77 503.88,1747.77
375A0: U4.26 U5.8 | length 2697.9
  Top Layer w10: U4.26@4130.84,2436.03 5158.57,2436.03 5196.01,2398.58 v1(5273.89,2398.58) ; v1(5273.58,2053.24) 5566.25,2053.24 5713.89,1905.6 5713.89,1425.67 5641.34,1353.12 U5.8@5531.29,1353.12
  Bottom Layer w10: v1(5273.58,2053.24) v1@5273.58,2398.58
CS: U4.24 U5.27 | length 2363
  Top Layer w10: U4.24@4130.84,2396.66 5105.71,2396.66 5163.78,2338.58 v1(5303.58,2338.58) ; v1(5303.67,2085) 5562.77,2085 5733.89,1913.88 5733.89,1687.65 5768.42,1653.12 U5.27@5904.83,1653.12
  Bottom Layer w10: v1(5303.58,2338.58) v1(5303.58,2338.58) 5303.63,2085.04 v1(5303.67,2085)
D0: U4.14 U5.15 | length 4204.4
  Top Layer w10: U4.14@4008.8,2176.19 4008.8,2128.03 4021.83,2115 v1(5333.67,2115) ; v1(5333.52,2458.58) 5904.99,2458.58 6386.54,1977.04 6386.54,1353.16 6086.49,1053.12 U5.15@5904.83,1053.12
  Bottom Layer w10: v1@5333.52,2115 v1(5333.52,2458.58)
D1: U4.15 U5.16 | length 4027.2
  Top Layer w10: U4.15@4028.48,2176.19 4028.48,2141.56 4039.04,2131 4083.95,2131 4097.95,2145 v1(5363.67,2145) ; v1(5363.52,2428.58) 5906.71,2428.58 6366.54,1968.75 6366.54,1371.56 6098.1,1103.12 U5.16@5904.83,1103.12
  Bottom Layer w10: v1(5363.52,2428.58) 5363.6,2428.51 5363.6,2145.08 v1(5363.67,2145)
D2: U4.16 U5.17 | length 3816.2
  Top Layer w10: U4.16@4048.17,2176.19 4048.17,2175.32 4048.48,2175 v1(5393.67,2175) ; v1(5393.52,2398.58) 5908.42,2398.58 6346.54,1960.47 6346.54,1387.83 6111.82,1153.12 U5.17@5904.83,1153.12
  Bottom Layer w10: v1(5393.52,2398.58) 5393.6,2398.51 5393.6,2175.08 v1(5393.67,2175)
D3: U4.17 U5.18 | length 3619.4
  Top Layer w10: U4.17@4130.84,2258.86 4171.57,2258.86 4195.9,2234.53 4195.9,2217.47 4208.37,2205 v1(5423.67,2205) ; v1(5423.52,2368.58) 5910.14,2368.58 6326.54,1952.18 6326.54,1400.45 6129.2,1203.12 U5.18@5904.83,1203.12
  Bottom Layer w10: v1(5423.52,2368.58) 5423.6,2368.51 5423.6,2205.08 v1(5423.67,2205)
D4: U4.20 U5.19 | length 3473.1
  Top Layer w10: U4.20@4130.84,2317.92 4374.42,2317.92 ; 4374.42,2317.6 4904.5,2317.6 4987.1,2235 v1(5453.67,2235) ; v1(5453.52,2338.58) 5911.85,2338.58 6306.54,1943.9 6306.54,1417.94 6141.71,1253.12 U5.19@5904.83,1253.12
  Bottom Layer w10: v1(5453.52,2338.58) 5453.6,2338.51 5453.6,2235.08 v1(5453.67,2235)
D5: U4.21 U5.20 | length 3341.6
  Top Layer w10: U4.21@4130.84,2337.6 4925.54,2337.6 4995.09,2268.06 v1(5047.56,2268.06) ; v1(5047.56,2327.23) 5121.95,2327.23 5140.65,2308.53 5913.63,2308.53 6286.54,1935.62 6286.54,1437.17 6152.49,1303.12 U5.20@5904.83,1303.12
  Bottom Layer w10: v1(5047.56,2268.06) v1(5047.56,2327.23)
D6: U4.22 U5.21 | length 3187.5
  Top Layer w10: U4.22@4130.84,2357.29 4944.28,2357.29 5004.51,2297.06 5123.83,2297.06 5132.37,2288.53 5905.34,2288.53 6266.54,1927.33 6266.54,1459.31 6160.34,1353.12 U5.21@5904.83,1353.12
D7: U4.23 U5.22 | length 3169.5
  Top Layer w10: U4.23@4130.84,2376.97 4785.42,2377.29 4962.9,2377.29 4983.96,2356.23 v1(5095.7,2356.23) ; v1(5095.7,2268.06) 5096.16,2268.53 5897.06,2268.53 6246.54,1919.05 6246.54,1481.01 6168.64,1403.12 U5.22@5904.83,1403.12
  Bottom Layer w10: v1(5095.7,2268.06) v1(5095.7,2356.23)
DET-PC_PWR: R23.1 U4.59 U9.4 | length 2416.9
  Top Layer w10: U4.59@3670.21,2357.29 3452.4,2357.29 3432.3,2337.18 3432.3,1871.53 3621.43,1682.4 R23.1@4893.05,1682.4
  Top Layer w20: U9.4@4893.05,1516.44 R23.1@4893.05,1682.4
DET-UR_PWR: R18.1 U4.56 U8.4 | length 1724.4
  Top Layer w10: U4.56@3670.21,2416.34 3443.58,2416.34 3380.22,2352.99 3380.22,1855.73 3602.75,1633.2 3602.75,1433.54 3628.93,1407.37 R18.1@3774.73,1407.37
  Top Layer w20: U8.4@3773.46,1194.19 3774.73,1195.46 R18.1@3774.73,1407.37
EN-LED1: R39.1 U4.51 | length 449.2
  Top Layer w10: R39.1@3246.1,2454.31 3338.53,2454.31 3398.99,2514.77 U4.51@3670.21,2514.77
EN-LED2: R40.1 U4.52 | length 469
  Top Layer w10: R40.1@3246.1,2386.65 3299.47,2386.65 3407.9,2495.08 U4.52@3670.21,2495.08
EN-LED3: R41.1 U4.53 | length 512.4
  Top Layer w10: R41.1@3246.1,2318.99 3300.46,2318.99 3321.74,2340.26 3321.74,2380.32 3416.81,2475.4 U4.53@3670.21,2475.4
EN-UR_OFF: U4.57 U7.2 | length 2027
  Top Layer w10: U4.57@3670.21,2396.66 3446.52,2396.66 3398.27,2348.41 3398.27,1860.3 3608.18,1650.4 4081.57,1650.4 4131.2,1600.77 U7.2@4131.2,1194.19
EN-UR_ON: U4.58 U6.2 | length 2353.2
  Top Layer w10: U4.58@3670.21,2376.97 3449.46,2376.97 3415.27,2342.79 3415.27,1865.93 3614.81,1666.4 4449.41,1666.4 4493.57,1622.24 U6.2@4493.57,1194.19